# KiCad board pcb.kicad_pcb (continued)
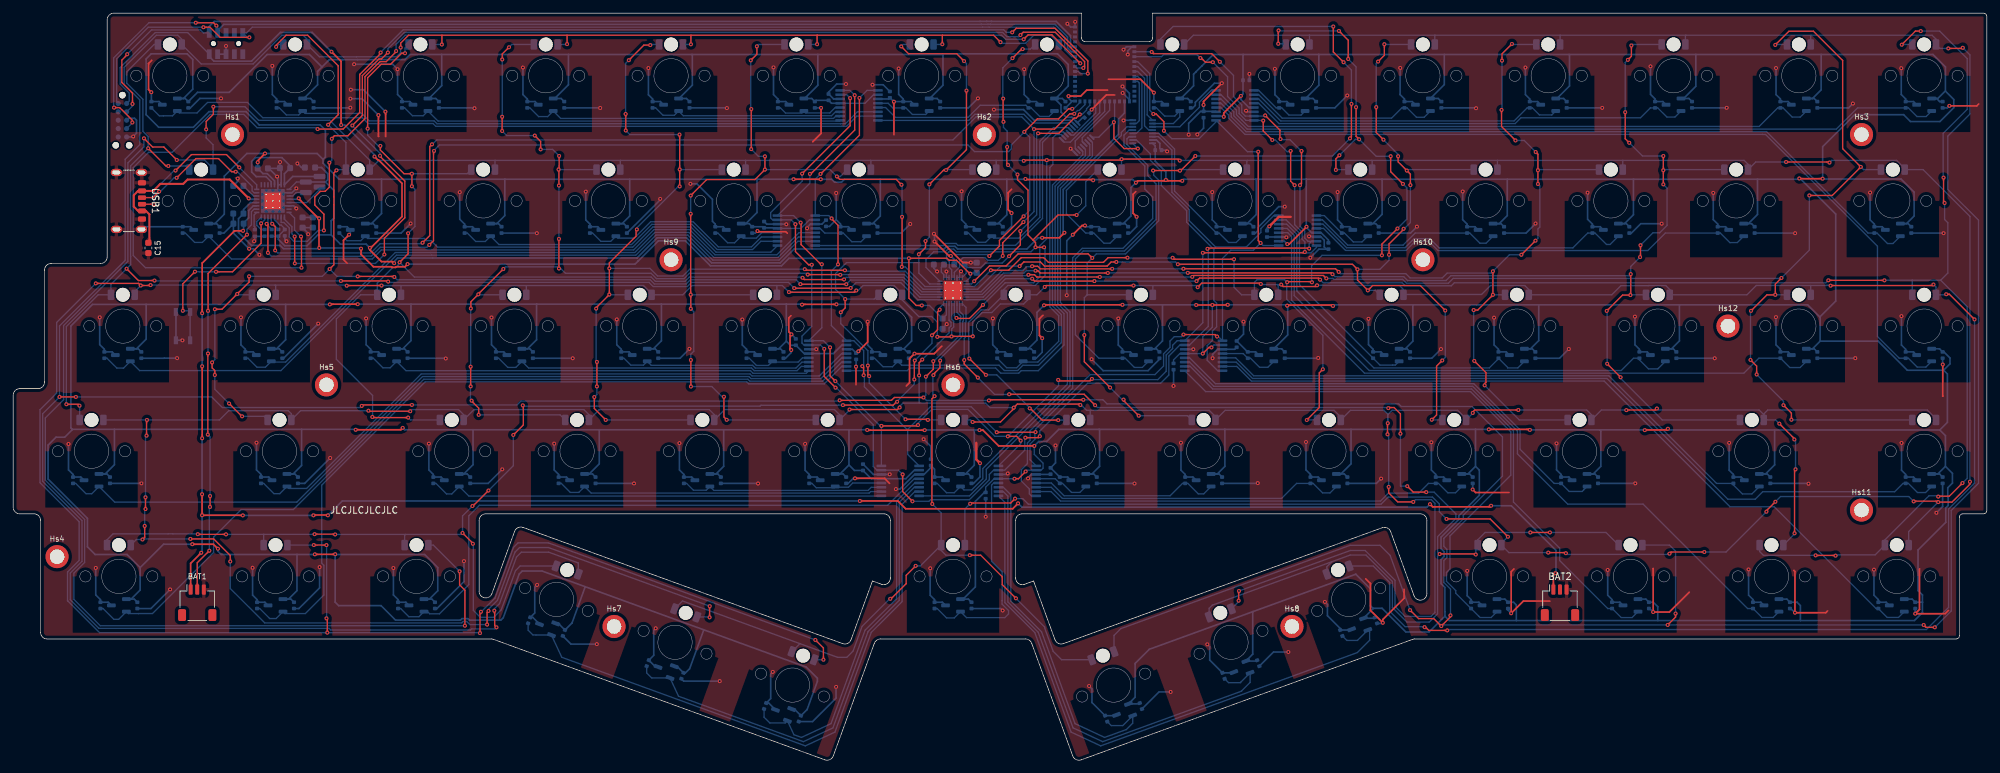
[diagram p0: board, top side]
## Routing (per net, layer and track width the routed paths; a pad name or vN(x,y) marks a point on that pad's centre or on a via; arc(x,y) is an arc through that point) (continued)
VCCS: length 2349.8
  Top w0.2: v1(181.69,62.61) 181.31,62.61 v1(180.37,61.67) ; v1(151.82,42.67) 152.43,42.67 153.51,43.76 v1(153.51,43.78)
  Top w0.25: v1(163.75,87.98) 163.64,88.09 153.57,88.09 v1(153.48,88.18) ; v1(200.12,68.9) 199.98,69.04 193.25,69.04 v1(193.16,68.95) ; v1(122.45,88.13) 122.44,88.14 v1(118.32,88.14) ; v1(146.51,50.06) 147.02,50.06 149.42,47.66 v1(154.83,47.66) ; v1(129.48,50.08) 129.51,50.05 v1(138.21,50.05) ; v1(177.26,87.9) 174.82,87.9 174.78,87.93 v1(174.78,88.03) 174.65,87.9 170.51,87.9 v1(170.23,87.62) ; v1(156.3,69) 156.38,69.07 v1(168.2,69.07) ; v1(223.74,50.17) 229.89,50.17 v1(229.97,50.09) ; v1(124.83,69.15) 119.66,69.15 v1(119.61,69.1) ; v1(48.01,69.14) 48.04,69.17 v1(52.24,69.17) ; v1(196.1,80.92) 196.1,80.91 193.48,78.3 v1(193.18,78.3) ; v1(179.36,69.05) v1(181.82,69.05) 184.13,69.05 v1(184.16,69.08) ; v1(247.38,50.05) 247.42,50.09 250.73,50.09 v1(250.9,50.26) ; v1(45.74,31.2) 48.8,31.2 v1(48.82,31.22) ; v1(59.06,50.4) 58.77,50.11 v1(51.93,50.11) ; v1(186.15,100.79) 183.55,98.19 v1(183.55,97.61) ; v1(31.04,32.04) 30.36,32.73 27.16,32.73 v1(27.16,32.73) ; v1(37.08,90.7) 37.08,90.94 v1(38.18,92.05) ; v1(274.36,88.22) 270.86,88.22 v1(270.82,88.26)
  Bottom w0.2: v1(153.51,43.78) 153.71,43.97 MUXB8.2 155.85,43.97 156.15,44.27 156.15,45.03 154.82,46.37 154.82,47.65 v1(154.83,47.66) ; MUXB2.2 120.74,81.97 119.44,80.67 MUXB2.13 ; MUXB7.2 182.06,62.97 v1(181.69,62.61) ; v1(181.82,69.05) 181.82,65.68 180.37,64.23 v1(180.37,61.67) MUXB7.13 176.9,61.67 175.94,60.71 C19.2 ; MUXB1.2 130.46,100.97 129.16,99.67 MUXB1.13 ; v1(151.82,42.67) MUXB8.13 148.73,42.67 147.45,41.39 C20.2
  Bottom w0.25: v1(122.45,88.13) 124.12,88.13 124.56,87.69 125.58,87.69 126.02,88.13 131.47,88.13 ; 145.67,50.07 146.49,50.07 v1(146.51,50.06) ; 145.67,50.07 145.73,50.02 145.73,44.73 144.4,43.4 TMR51.1 144.83,43.4 Cvcc51.1 ; 145.67,50.07 138.24,50.07 v1(138.21,50.05) ; Cvcc25.1 206.58,81.4 TMR25.1 206.14,81.4 207.56,82.82 207.56,88.14 ; Cvcc65.1 144.83,24.4 TMR65.1 144.03,24.4 145.89,26.26 145.89,39.24 147.25,40.6 C20.2 ; TMR8.1 158.88,99.41 158.88,98.33 159.66,97.55 160.52,97.55 MUXA1.16 161.43,96.76 162.15,97.49 C1.2 ; TMR8.1 158.07,100.4 159.98,102.3 159.98,105.55 158.36,107.17 141.1,107.17 140.98,107.05 ; TMR8.1 159.08,100.4 Cvcc8.1 ; Cvcc55.1 220.83,43.4 TMR55.1 220.57,43.4 221.73,44.55 ; 126.73,44.76 127.56,43.93 C5.2 130.11,42.67 MUXB4.13 135.34,42.67 136.64,43.97 MUXB4.2 ; 126.73,44.76 126.73,50.1 126.72,50.11 ; 126.73,44.76 125.37,43.4 TMR50.1 125.83,43.4 Cvcc50.1 ; 8.96,50.17 15.35,50.17 ; 8.96,50.17 8.96,50.12 7.81,48.98 6.49,48.98 5.29,47.78 5.29,42.62 11.25,36.66 11.25,32.34 12.42,31.17 17.26,31.17 19.25,29.18 ; 8.96,50.17 8.75,50.38 8.75,65.86 12.02,69.14 20.16,69.14 ; 15.35,50.17 15.35,44.8 13.95,43.4 TMR45.1 14.21,43.4 Cvcc45.1 ; 15.35,50.17 43.73,50.17 ; 74.54,88.14 93.48,88.14 ; 74.54,88.14 55.84,88.14 ; 74.54,88.14 74.54,82.62 73.32,81.4 TMR18.1 73.58,81.4 Cvcc18.1 ; 93.48,88.14 93.48,82.56 92.32,81.4 TMR19.1 92.58,81.4 Cvcc19.1 ; 93.48,88.14 112.78,88.14 ; 117.21,69.17 117.23,69.15 117.23,63.55 ; 117.21,69.17 98.29,69.17 ; 117.21,69.17 119.54,69.17 v1(119.61,69.1) ; 41.31,69.14 41.31,63.78 39.93,62.4 TMR31.1 40.33,62.4 Cvcc31.1 ; 41.31,69.14 v1(48.01,69.14) ; 41.31,69.14 20.16,69.14 ; 126.72,50.11 129.45,50.11 v1(129.48,50.08) ; 126.72,50.11 107.73,50.11 ; 291.63,100.4 292.1,99.93 Cvcc15.1 ; 291.63,100.4 291.82,100.4 292.98,101.55 292.98,105.18 291.09,107.07 274.13,107.07 ; 291.63,100.4 TMR15.1 ; Cvcc14.1 273.08,100.4 TMR14.1 272.82,100.4 274.13,101.71 274.13,107.07 ; v1(156.3,69) 155.23,67.92 155.23,63.72 153.91,62.4 TMR37.1 154.33,62.4 Cvcc37.1 ; Cvcc32.1 59.33,62.4 TMR32.1 59.07,62.4 60.31,63.64 60.31,69.17 ; 221.73,44.55 222.3,43.98 222.3,40.16 219.19,37.04 219.19,36.49 216.5,33.8 216.5,32.06 216.96,31.61 216.96,30.87 216.5,30.41 216.5,26.75 217.08,26.17 217.08,22.51 217.09,22.5 217.09,21.82 217.08,21.81 ; 221.73,44.55 221.73,50.16 221.72,50.17 ; MUXB5.13 187.38,99.02 186.15,100.25 v1(186.15,100.79) 186.47,101.11 C17.2 186.47,107.04 186.5,107.07 ; 274.13,107.07 255.13,107.07 ; TMR68.1 206.34,21.49 Cvcc68.1 ; TMR68.1 206.18,22.92 206.18,23 ; TMR68.1 204.75,21.57 ; 86.73,26.27 84.72,20.76 84.72,20.76 Cvcc62.1 82.66,20.71 TMR62.1 ; 216.99,107.07 216.99,102.5 TMR11.1 216.08,100.4 Cvcc11.1 ; 216.99,107.07 235.91,107.07 ; 216.99,107.07 197.96,107.07 ; 140.98,107.05 140.98,102.4 138.97,100.4 TMR7.1 140.08,100.4 Cvcc7.1 ; 140.98,107.05 140.95,107.07 122.01,107.07 ; 267.08,50.07 267.08,44.78 265.69,43.4 TMR57.1 265.95,43.4 Cvcc57.1 ; 267.08,50.07 251.08,50.07 v1(250.9,50.26) ; 267.08,50.07 292.11,50.07 ; 55.84,88.14 55.85,88.13 55.85,82.92 54.32,81.4 TMR17.1 54.58,81.4 Cvcc17.1 ; 55.84,88.14 49.43,88.14 46.98,90.58 46.98,91.15 ; Cvcc60.1 42.1,24.4 TMR60.1 41.74,24.4 43.03,25.69 43.03,31.17 ; 227.91,21.15 217.74,21.15 217.08,21.81 ; 227.91,21.15 249.36,21.15 ; 227.91,21.15 227.91,23.52 227.5,23.93 Cvcc69.1 226.18,24.4 TMR69.1 ; Cvcc47.1 68.83,43.4 TMR47.1 68.32,43.4 69.73,44.81 69.73,50.09 69.71,50.11 ; 196.07,88.14 188.41,88.14 ; 196.07,88.14 207.56,88.14 ; 196.07,88.14 196.06,88.13 196.06,80.96 v1(196.1,80.92) 196.1,80.8 196.88,80.02 MUXB6.13 198.31,80.02 199.42,78.91 C18.2 ; 188.41,88.14 177.5,88.14 v1(177.26,87.9) ; 188.41,88.14 188.48,88.07 188.48,82.78 187.1,81.4 TMR24.1 187.58,81.4 Cvcc24.1 ; 64.97,107.07 84.19,107.07 ; 64.97,107.07 64.98,107.07 64.98,102.34 63.03,100.4 TMR3.1 64.08,100.4 Cvcc3.1 ; 64.97,107.07 60.17,107.07 59.39,106.3 52.22,106.3 52.22,106.29 49.94,106.29 49.94,106.3 47.94,106.3 46.82,105.18 ; 84.19,107.07 102.92,107.07 ; 84.19,107.07 84.19,102.48 82.11,100.4 TMR4.1 83.08,100.4 Cvcc4.1 ; 174.26,69.07 174.26,63.59 173.07,62.4 TMR38.1 173.33,62.4 Cvcc38.1 ; 174.26,69.07 179.33,69.07 v1(179.36,69.05) ; 174.26,69.07 v1(168.2,69.07) ; 19.25,29.18 22.8,32.73 v1(27.16,32.73) ; 19.25,29.18 19.25,25.78 17.87,24.4 TMR59.1 18.36,24.4 Cvcc59.1 ; Cvcc46.1 42.7,43.4 TMR46.1 42.45,43.4 43.73,44.68 43.73,50.17 ; 117.23,63.55 117.84,62.94 C4.2 119.94,61.67 MUXB3.13 124.37,61.67 125.67,62.97 MUXB3.2 ; 117.23,63.55 116.07,62.4 TMR35.1 116.33,62.4 Cvcc35.1 ; 187.99,22.51 172.26,16.78 170.11,14.63 170.11,9.5 TMR66.1 ; 187.99,22.51 203.54,28.16 203.58,28.16 205.79,25.95 205.79,23.39 206.18,23 ; 187.99,22.51 187.94,22.46 187.94,16.04 TMR67.1 ; 249.36,21.15 249.36,23.25 248.68,23.93 Cvcc70.1 247.56,24.4 TMR70.1 ; 249.36,21.15 271,21.15 ; Cvcc9.1 178.08,100.4 TMR9.1 177.05,100.4 178.98,102.32 178.98,104.08 179.35,104.45 179.35,104.46 180.21,105.32 180.22,105.32 181.97,107.07 186.5,107.07 ; 186.5,107.07 197.96,107.07 ; 112.78,88.14 112.78,83.09 111.09,81.4 TMR20.1 111.58,81.4 Cvcc20.1 113.69,80.93 C3.2 ; 112.78,88.14 v1(118.32,88.14) ; TMR44.1 292.08,62.4 Cvcc44.1 292.74,61.93 293.67,61 293.67,60.12 292.7,59.15 ; 207.56,88.14 226.54,88.14 ; 102.92,107.07 102.98,107.02 102.98,102.42 100.95,100.4 TMR5.1 102.08,100.4 Cvcc5.1 ; 102.92,107.07 122.01,107.07 ; Cvcc26.1 225.58,81.4 TMR26.1 225.32,81.4 226.54,82.62 226.54,88.14 ; 69.71,50.11 59.35,50.11 v1(59.06,50.4) ; 69.71,50.11 88.86,50.11 ; 273.93,67.23 276.34,69.64 276.34,82.85 270.93,88.26 v1(270.82,88.26) 270.7,88.14 264.48,88.14 ; 273.93,67.23 273.98,67.18 273.98,63.55 272.82,62.4 TMR43.1 273.08,62.4 Cvcc43.1 ; 273.93,67.23 272.09,69.07 252.64,69.07 ; 292.7,59.15 287.19,59.15 282.78,63.56 273.98,63.56 ; 292.7,59.15 293.27,58.58 293.27,51.23 292.11,50.07 ; Cvcc2.1 45.08,100.4 TMR2.1 44.07,100.4 46.15,102.48 46.15,104.51 46.82,105.18 ; v1(247.38,50.05) 247.35,50.09 240.58,50.09 ; 255.13,107.07 255.13,102.25 253.28,100.4 TMR13.1 254.08,100.4 Cvcc13.1 ; 255.13,107.07 235.91,107.07 ; Cvcc33.1 78.33,62.4 TMR33.1 77.99,62.4 79.36,63.77 79.36,69.17 ; TMR67.1 188.49,14.99 Cvcc67.1 ; TMR67.1 186.9,15.07 ; TMR66.1 169.1,8.57 ; TMR66.1 170.69,8.49 Cvcc66.1 ; v1(163.75,87.98) 163.85,88.08 169.77,88.08 v1(170.23,87.62) 169.48,86.86 169.48,82.55 168.32,81.4 TMR23.1 168.58,81.4 Cvcc23.1 ; v1(154.83,47.66) 155.5,48.32 156.7,48.32 158.54,50.17 164.66,50.17 ; 183.72,50.17 202.85,50.17 ; 183.72,50.17 183.73,50.16 183.73,44.55 182.57,43.4 TMR53.1 182.83,43.4 Cvcc53.1 ; 183.72,50.17 164.66,50.17 ; 202.85,50.17 221.72,50.17 ; 202.85,50.17 202.85,44.94 201.31,43.4 TMR54.1 201.83,43.4 Cvcc54.1 ; Cvcc58.1 292.08,43.4 TMR58.1 291.82,43.4 292.98,44.55 ; 60.31,69.17 79.36,69.17 ; 60.31,69.17 v1(52.24,69.17) ; 79.36,69.17 98.29,69.17 ; Cvcc27.1 244.58,81.4 TMR27.1 244.32,81.4 245.67,82.75 245.67,88.14 ; 212.19,69.07 231.31,69.07 ; 212.19,69.07 200.29,69.07 v1(200.12,68.9) ; 212.19,69.07 212.23,69.04 212.23,63.55 211.07,62.4 TMR40.1 211.33,62.4 Cvcc40.1 ; 231.31,69.07 231.31,63.64 230.07,62.4 TMR41.1 230.33,62.4 Cvcc41.1 ; 231.31,69.07 252.64,69.07 ; 206.18,23 207.56,23 211.16,19.41 214.68,19.41 217.08,21.81 ; 131.47,88.13 131.48,88.12 131.48,82.55 130.32,81.4 TMR21.1 130.58,81.4 Cvcc21.1 ; 131.47,88.13 150.66,88.13 ; 292.11,50.07 292.98,49.21 292.98,44.55 ; TMR64.1 118.43,7.71 Cvcc64.1 120.37,7.64 120.38,7.64 121.93,11.91 121.93,12.39 120.24,14.08 83.31,27.52 ; 197.96,107.07 197.98,107.06 197.98,102.41 195.96,100.4 TMR10.1 197.08,100.4 Cvcc10.1 ; 46.98,91.15 47.34,91.5 47.34,95.59 46.55,96.38 37.31,96.38 35.29,98.4 29.69,98.4 27.32,96.03 22.06,96.03 20.15,97.93 20.15,106.39 20.93,107.17 26.37,107.17 27.23,106.31 27.23,101.81 25.82,100.4 TMR1.1 26.08,100.4 Cvcc1.1 27.95,101.33 32.76,101.33 38.51,107.07 44.92,107.07 46.82,105.18 ; 46.98,91.15 46.08,92.05 v1(38.18,92.05) 35.44,92.05 32.01,88.62 32.01,82.84 30.57,81.4 TMR16.1 30.83,81.4 Cvcc16.1 ; Cvcc52.1 163.83,43.4 TMR52.1 163.57,43.4 164.73,44.55 164.73,50.1 164.66,50.17 ; Cvcc61.1 63.48,24.4 TMR61.1 63.1,24.4 64.38,25.68 64.38,29.18 62.39,31.17 48.87,31.17 v1(48.82,31.22) 48.82,23.93 49.34,23.41 55.77,23.41 57.97,21.21 67.82,21.21 68.04,21.43 68.94,21.43 69.16,21.21 73.94,21.21 74.31,21.58 76.72,28.2 77.18,28.66 80.19,28.66 83.34,27.51 ; 88.86,50.11 88.86,44.93 87.33,43.4 TMR48.1 87.83,43.4 Cvcc48.1 ; 88.86,50.11 107.73,50.11 ; 271,21.15 270.98,21.17 270.98,23.43 270.48,23.93 Cvcc71.1 268.93,24.4 TMR71.1 ; 271,21.15 288.28,21.15 289.49,22.36 289.49,23.92 ; Cvcc22.1 149.58,81.4 TMR22.1 149.32,81.4 150.66,82.74 150.66,88.13 ; 245.67,88.14 226.54,88.14 ; 245.67,88.14 264.48,88.14 ; Cvcc39.1 192.33,62.4 TMR39.1 193.25,64.51 193.25,68.86 v1(193.16,68.95) 193.16,69.04 193.12,69.08 v1(184.16,69.08) ; 43.03,31.17 45.71,31.17 v1(45.74,31.2) ; 43.03,31.17 31.55,31.17 31.04,31.68 v1(31.04,32.04) ; MUXB6.2 192.75,78.72 v1(193.18,78.3) ; 252.64,69.07 252.64,63.59 251.44,62.4 TMR42.1 251.71,62.4 Cvcc42.1 ; 292.98,44.55 294.04,43.49 294.04,42.02 293.33,41.31 293.33,39.9 293.39,39.84 293.39,38.61 293.02,38.24 293.02,36.05 288.83,31.85 288.83,25.69 289.49,25.03 289.49,23.92 ; 221.72,50.17 v1(223.74,50.17) ; v1(183.55,97.61) 183.45,97.72 MUXB5.2 ; 43.73,50.17 51.87,50.17 v1(51.93,50.11) ; 135.55,61.93 135.08,62.4 TMR36.1 135.05,62.4 136.23,63.58 136.23,67.18 134.26,69.15 v1(124.83,69.15) ; TMR72.1 287.93,24.4 Cvcc72.1 289.48,23.93 289.49,23.92 ; 104.71,19.73 102.57,13.84 101.93,13.2 Cvcc63.1 100.63,14.21 TMR63.1 ; C3.2 115.8,80.76 MUXB2.13 ; C3.2 113.83,80.76 ; Cvcc56.1 239.83,43.4 TMR56.1 239.57,43.4 240.73,44.55 240.73,49.94 240.58,50.09 ; 264.48,88.14 264.48,82.79 263.09,81.4 TMR28.1 263.58,81.4 Cvcc28.1 ; Cvcc30.1 18.95,62.4 TMR30.1 18.7,62.4 20.16,63.86 20.16,69.14 ; 98.29,69.17 98.29,63.62 97.07,62.4 TMR34.1 97.33,62.4 Cvcc34.1 ; v1(153.48,88.18) 153.43,88.13 150.66,88.13 ; 122.01,107.07 122.01,102.41 120,100.4 TMR6.1 121.08,100.4 Cvcc6.1 121.74,100.12 C2.2 124.08,99.67 MUXB1.13 ; Cvcc12.1 235.08,100.4 TMR12.1 234.07,100.4 235.98,102.3 235.98,107.01 235.91,107.07 ; Cvcc49.1 106.83,43.4 TMR49.1 106.57,43.4 107.73,44.56 107.73,50.11 ; 240.58,50.09 v1(229.97,50.09) ; v1(174.78,88.03) 174.78,89.25 173.16,90.87 C16.2 173.16,93.19 MUXA2.16 ; v1(37.08,90.7) 37.07,90.69 C23.1 37.87,88.98 38.52,88.98 39.62,87.88 PMIC1.29 ; Cvcc29.1 287.33,81.4 TMR29.1 287.07,81.4 288.23,82.55 288.23,86.18 286.24,88.17 274.41,88.17 v1(274.36,88.22) 274.36,93.08 279.22,97.94 286.64,97.94 287.68,96.9 292.14,96.9 294.25,99 294.25,100.24 293.07,101.42
/AIN0: length 8.4
  Bottom w0.2: M1.23 166.25,98.6 162.09,94.44 162.09,93.86 MUXA1.4
/AIN1: length 9.6
  Bottom w0.2: MUXA1.7 161.03,92.8 161.03,93.95 165.5,98.42 M1.22
/AIN2: length 9.5
  Bottom w0.2: M1.21 164.75,98.23 160.29,93.77 159.35,93.77 MUXA1.9
/AIN3: length 7.5
  Bottom w0.2: MUXA1.12 160.41,94.83 160.79,94.83 164.14,98.19 164.14,98.93 164,99.07 M1.20
/AIN4: length 9.6
  Bottom w0.2: M1.35 170.5,105.25 171.94,103.8 171.94,97.91 MUXA2.9
/AIN5: length 10.7
  Bottom w0.2: MUXA2.12 172.19,95.6 171.54,96.25 171.54,103.45 170.5,104.5 M1.34
/AIN6: length 10.3
  Bottom w0.2: MUXA2.4 170.31,95.1 171.14,95.93 171.14,103.1 170.5,103.75 M1.33
/AIN7: length 7.7
  Bottom w0.2: M1.32 170.5,103 170.74,102.75 170.74,97.03 170.31,96.6 MUXA2.7
/ANA_01: length 113.9
  Bottom w0.2: Cvout1.1 22.16,97.76 22.76,97.76 22.76,97.77 24.16,97.77 TMR1.2 25.19,98.2 27.87,98.2 29.47,99.8 35.52,99.8 37.84,97.48 52.94,97.48 53.82,96.6 63.65,96.6 64.09,96.16 125.61,96.16 125.62,96.17 126.36,96.17 127.91,97.72 MUXB1.7
/ANA_02: length 93.4
  Bottom w0.2: Cvout2.1 40.35,98.97 41.42,97.9 43.29,97.9 TMR2.2 44.25,98.13 52.85,98.13 53.99,97 63.82,97 64.25,96.56 125.45,96.56 125.45,96.57 126.19,96.57 127.99,98.37 MUXB1.6
/ANA_03: length 67.9
  Bottom w0.2: MUXB1.9 125.28,96.97 64.42,96.97 TMR3.2 62.17,97.78 60.54,97.78 59.35,98.97 Cvout3.1
/ANA_04: length 49.2
  Bottom w0.2: Cvout4.1 78.35,98.97 79.67,97.65 81.04,97.65 TMR4.2 83.02,97.37 124.38,97.37 124.73,97.72 MUXB1.10 125.24,97.57
/ANA_05: length 29.9
  Bottom w0.2: 125.24,98.22 MUXB1.11 124.67,98.37 124.08,97.78 101.61,97.78 TMR5.2 100.89,98.48 100.25,97.85 98.53,97.85 97.41,98.97 Cvout5.1
/ANA_06: length 10.4
  Bottom w0.2: Cvout6.1 116.33,98.97 117.11,98.19 119.58,98.19 TMR6.2 120.19,98.2 123.82,98.2 124.64,99.02 MUXB1.12
/ANA_07: length 8.7
  Bottom w0.2: TMR7.2 138.36,97.97 136.35,97.97 135.35,98.97 Cvout7.1 133.37,98.97 132.67,99.67 MUXB1.4
/ANA_08: length 29.2
  Bottom w0.2: TMR8.2 157.06,97.67 155.64,97.67 154.34,98.97 Cvout8.1 153.55,99.37 146.62,99.37 144.78,97.53 133.77,97.53 132.28,99.02 MUXB1.5
/ANA_09: length 10.2
  Bottom w0.2: MUXA2.10 175.91,96.6 176.89,97.57 TMR9.2 176.12,97.73 174.59,97.73 173.35,98.97 Cvout9.1
/ANA_10: length 9.6
  Bottom w0.2: TMR10.2 195.27,97.88 193.44,97.88 192.35,98.97 Cvout10.1 191.5,98.97 188.85,101.62 MUXB5.9
/ANA_11: length 29.9
  Bottom w0.2: MUXB5.10 188.85,100.97 192.4,97.42 209,97.42 210.55,98.97 Cvout11.1 211.35,98.97 212.77,97.55 213.94,97.55 TMR11.2
/ANA_12: length 48.7
  Bottom w0.2: TMR12.2 233.29,97.9 231.42,97.9 230.35,98.97 Cvout12.1 229.55,98.97 227.57,96.99 192.18,96.99 188.85,100.32 MUXB5.11
/ANA_13: length 68
  Bottom w0.2: MUXB5.12 188.85,99.67 191.93,96.59 227.74,96.59 228.62,97.47 246.74,97.47 248.24,98.97 Cvout13.1 249.35,98.97 250.74,97.58 251.97,97.58 TMR13.2
/ANA_14: length 94
  Bottom w0.2: TMR14.2 270.97,97.58 269.74,97.58 268.35,98.97 Cvout14.1 267.55,98.97 264.73,96.15 187.27,96.15 185.48,97.93 185.48,98.62 183.12,100.97 MUXB5.7
/ANA_15: length 113
  Bottom w0.2: TMR15.2 290.05,97.66 288.66,97.66 287.35,98.97 Cvout15.1 279.65,98.97 276.43,95.75 187.1,95.75 185.08,97.77 185.08,98.37 183.12,100.32 MUXB5.6
/ANA_16: length 103.2
  Bottom w0.2: MUXB2.5 119.14,80.02 115.79,76.67 106.41,76.67 102.59,80.49 97.16,80.49 94.08,77.41 55.82,77.41 54.44,76.03 33.11,76.03 TMR16.2 28.69,78.55 27.52,78.55 26.1,79.97 Cvout16.1
/ANA_17: length 71.2
  Bottom w0.2: MUXB2.9 114.88,77.07 106.58,77.07 102.76,80.89 96.99,80.89 93.93,77.83 64.35,77.83 63.36,78.82 62.67,78.82 62.34,79.15 53.74,79.15 TMR17.2 52.7,78.81 50.61,78.81 Cvout17.1
/ANA_18: length 52.2
  Bottom w0.2: MUXB2.10 113.36,78.72 112.11,77.47 106.74,77.47 102.92,81.29 96.83,81.29 93.77,78.23 73.66,78.23 TMR18.2 71.58,78.69 70.13,78.69 68.85,79.97 Cvout18.1
/ANA_19: length 32.6
  Bottom w0.2: Cvout19.1 87.85,79.97 89.11,78.71 90.6,78.71 TMR19.2 91.69,79.2 94.17,79.2 96.66,81.69 103.09,81.69 106.91,77.87 111.94,77.87 113.45,79.37 MUXB2.11
/ANA_20: length 10.9
  Bottom w0.2: MUXB2.12 113.5,80.02 112.68,79.2 110.69,79.2 TMR20.2 109.38,78.49 108.33,78.49 106.85,79.97 Cvout20.1
/ANA_21: length 9
  Bottom w0.2: MUXB2.4 122.35,80.67 123.05,79.97 Cvout21.1 125.85,79.97 127.17,78.65 128.54,78.65 TMR21.2
/ANA_22: length 30.9
  Bottom w0.2: Cvout22.1 144.85,79.97 146.25,78.57 147.44,78.57 148.37,79.5 TMR22.2 148.69,79.2 152.51,79.2 155.67,82.36 155.67,93.91 157.74,95.98 159.97,95.98 MUXA1.13
/ANA_23: length 27.9
  Bottom w0.2: MUXA2.6 168.87,96.1 168.02,95.25 168.02,94.78 159.69,86.45 159.69,82.9 162.62,79.97 Cvout23.1 163.85,79.97 165.39,78.43 166.32,78.43 TMR23.2
/ANA_24: length 24.6
  Bottom w0.2: TMR24.2 185.43,78.54 184.28,78.54 182.85,79.97 Cvout24.1 182.45,79.97 176.09,86.32 176.09,92.72 173.71,95.1 MUXA2.13
/ANA_25: length 9.8
  Bottom w0.2: TMR25.2 204.51,78.62 203.2,78.62 201.85,79.97 Cvout25.1 198.79,82.62 MUXB6.9
/ANA_26: length 30.2
  Bottom w0.2: MUXB6.10 198.51,81.97 202.34,78.14 210.74,78.14 212.57,79.97 Cvout26.1 220.85,79.97 222.39,78.43 223.32,78.43 TMR26.2
/ANA_27: length 50.6
  Bottom w0.2: MUXB6.11 198.59,81.32 202.18,77.74 211.03,77.74 212.4,79.11 214.82,79.11 216.21,77.72 236.49,77.72 238.74,79.97 Cvout27.1 239.85,79.97 241.58,78.24 242.13,78.24 TMR27.2
/ANA_28: length 69.4
  Bottom w0.2: TMR28.2 261.41,78.52 260.3,78.52 258.85,79.97 Cvout28.1 250.5,79.97 247.85,77.32 216.04,77.32 214.65,78.71 212.57,78.71 211.2,77.34 202.01,77.34 198.68,80.67 MUXB6.12
/ANA_29: length 113.3
  Bottom w0.2: TMR29.2 285.02,78.38 284.19,78.38 282.6,79.97 Cvout29.1 281.24,79.97 265.86,95.35 186.94,95.35 184.68,97.6 184.68,98.12 183.12,99.67 MUXB5.5
/ANA_30: length 120.7
  Bottom w0.2: MUXB2.7 118.98,78.72 116.12,75.87 106.08,75.87 102.29,79.66 97.46,79.66 94.41,76.61 63.46,76.61 58.11,76.61 40.59,59.09 19.17,59.09 TMR30.2 16.73,59.47 15.72,59.47 14.22,60.97 Cvout30.1
/ANA_31: length 98.4
  Bottom w0.2: MUXB2.6 119.06,79.37 115.96,76.27 106.25,76.27 102.45,80.06 97.3,80.06 94.24,77.01 63.29,77.01 57.93,77.01 41.31,60.38 39.25,60.38 TMR31.2 38.25,59.61 36.96,59.61 35.6,60.97 Cvout31.1
/ANA_32: length 68.4
  Bottom w0.2: MUXB3.9 120.24,58.68 112.19,58.68 111.8,59.07 59.56,59.07 TMR32.2 57.16,59.52 56.05,59.52 54.6,60.97 Cvout32.1
/ANA_33: length 49.2
  Bottom w0.2: MUXB3.10 119.5,59.72 118.86,59.08 112.36,59.08 111.95,59.48 78.15,59.48 TMR33.2 76.22,59.58 74.99,59.58 73.6,60.97 Cvout33.1
/ANA_34: length 29.9
  Bottom w0.2: MUXB3.11 119.59,60.37 118.69,59.48 112.52,59.48 112.11,59.89 96.75,59.89 TMR34.2 95.56,59.92 93.65,59.92 92.6,60.97 Cvout34.1
/ANA_35: length 10.5
  Bottom w0.2: MUXB3.12 119.67,61.02 119.04,60.38 115.25,60.38 TMR35.2 114.52,59.88 112.69,59.88 111.6,60.97 Cvout35.1
/ANA_36: length 64
  Bottom w0.2: MUXA1.6 162.18,92.36 162.18,91.85 157.58,87.26 157.58,68.93 158.93,67.59 158.93,63.34 155.48,59.89 153.09,59.89 152.3,59.1 150.28,59.1 149.47,59.91 134.72,59.91 TMR36.2 133.32,59.68 131.89,59.68 130.6,60.97 Cvout36.1
/ANA_37: length 45.4
  Bottom w0.2: MUXA1.10 158.91,94.92 158.12,94.92 157.64,94.44 157.64,90.38 157.18,89.92 157.18,68.77 158.53,67.42 158.53,63.53 155.38,60.38 153.25,60.38 TMR37.2 153.13,60.5 152.15,59.52 150.65,59.52 Cvout37.1
/ANA_38: length 54.8
  Bottom w0.2: MUXA2.3 169.19,94.6 168.87,94.27 168.87,93.42 172.03,90.26 172.03,88.69 173.28,87.44 173.28,82.03 168.5,77.25 162.26,77.25 161.06,76.05 161.06,64.52 164.61,60.97 Cvout38.1 168.6,60.97 169.99,59.58 171.22,59.58 TMR38.2
/ANA_39: length 9
  Bottom w0.2: TMR39.2 190.24,59.6 188.97,59.6 187.6,60.97 Cvout39.1 186.5,61.67 MUXB7.4
/ANA_40: length 32.2
  Bottom w0.2: TMR40.2 209.57,59.93 209.17,59.93 209.16,59.92 207.25,59.92 Cvout40.1 195.03,72.14 195.03,79.94 193,81.97 MUXB6.7
/ANA_41: length 53.1
  Bottom w0.2: MUXB6.6 193.09,81.32 194.63,79.78 194.63,71.18 206.32,59.5 223.81,59.5 225.2,60.89 Cvout41.1 226.59,59.58 226.59,59.5 228.14,59.5 TMR41.2
/ANA_42: length 75
  Bottom w0.2: TMR42.2 249.42,59.41 249.41,59.41 249.35,59.35 247.95,59.35 246.57,60.72 Cvout42.1 245.68,60.97 243.81,59.1 205.62,59.1 194.23,70.49 194.23,79.61 193.17,80.67 MUXB6.5
/ANA_43: length 96.4
  Bottom w0.2: TMR43.2 270.95,59.56 269.38,59.56 267.97,60.97 Cvout43.1 264.68,60.97 262.41,58.7 204.89,58.7 193.83,69.76 193.83,79.44 193.25,80.02 MUXB6.4
/ANA_44: length 133.5
  Bottom w0.2: TMR44.2 290.02,59.63 288.69,59.63 287.35,60.97 Cvout44.1 285.97,60.97 282.67,64.27 282.67,77.97 265.7,94.94 265.21,94.94 265.2,94.95 186.77,94.95 184.28,97.44 184.28,97.87 183.12,99.02 MUXB5.4
/ANA_45: length 128.7
  Bottom w0.2: Cvout45.1 9.47,41.97 11.04,40.4 11.91,40.4 TMR45.2 15.39,39.12 43,39.12 62.06,58.18 111.56,58.18 111.86,57.88 122.48,57.88 125.63,61.02 MUXB3.5
/ANA_46: length 98.7
  Bottom w0.2: MUXB3.4 125.63,61.67 122.23,58.28 112.03,58.28 111.73,58.58 61.87,58.58 44.49,41.2 41.81,41.2 TMR46.2 40.42,40.41 39.53,40.41 37.98,41.97 Cvout46.1
/ANA_47: length 69.7
  Bottom w0.2: MUXB4.9 130.9,40.07 130.88,40.05 69.09,40.05 TMR47.2 66.51,40.37 65.7,40.37 64.1,41.97 Cvout47.1
/ANA_48: length 50.4
  Bottom w0.2: MUXB4.10 130.01,40.72 129.78,40.49 87.64,40.49 TMR48.2 86.64,41.47 85.76,40.6 84.47,40.6 83.1,41.97 Cvout48.1
/ANA_49: length 31.1
  Bottom w0.2: MUXB4.11 130.09,41.37 129.62,40.89 106.24,40.89 TMR49.2 105.64,41.47 105.09,40.93 103.14,40.93 102.1,41.97 Cvout49.1
/ANA_50: length 11.6
  Bottom w0.2: MUXB4.12 127.29,42.02 126.66,41.38 124.75,41.38 TMR50.2 124.64,41.47 124.47,41.31 121.76,41.31 121.1,41.97 Cvout50.1
/ANA_51: length 68.5
  Bottom w0.2: Cvout51.1 140.1,41.97 141.52,40.55 142.69,40.55 TMR51.2 144.16,40.98 145.34,40.98 147.01,42.65 147.01,44.21 159.84,57.04 159.84,67.8 158.38,69.26 158.38,86.92 163.24,91.78 163.24,93.42 MUXA1.3
/ANA_52: length 8.8
  Bottom w0.2: TMR52.2 161.74,40.6 160.47,40.6 159.1,41.97 Cvout52.1 158,42.67 MUXB8.4
/ANA_53: length 29.2
  Bottom w0.2: MUXB8.5 157.41,42.02 159.34,40.09 175.42,40.09 177.3,41.97 Cvout53.1 178.1,41.97 179.69,40.38 180.52,40.38 TMR53.2
/ANA_54: length 48.2
  Bottom w0.2: MUXB8.6 157.4,41.37 159.08,39.69 192.32,39.69 194.6,41.97 Cvout54.1 197.1,41.97 198.54,40.53 199.67,40.53 TMR54.2
/ANA_55: length 67.2
  Bottom w0.2: TMR55.2 218.68,40.54 217.53,40.54 216.1,41.97 Cvout55.1 214.59,41.97 213.11,40.49 208.52,40.49 207.32,39.29 158.8,39.29 157.37,40.72 MUXB8.7
/ANA_56: length 71.5
  Bottom w0.2: MUXB7.12 178.37,61.02 182.3,57.1 221.47,57.1 228.48,50.08 228.48,47.14 233.65,41.97 Cvout56.1 235.93,40.74 237.89,40.74 238.11,40.96 238.11,40.97 TMR56.2
/ANA_57: length 90.6
  Bottom w0.2: MUXB7.5 185.36,61.02 188.08,58.3 241.94,58.3 258.27,41.97 Cvout57.1 260.82,41.73 262.19,40.37 263.63,40.37 TMR57.2
/ANA_58: length 118.1
  Bottom w0.2: TMR58.2 289.97,40.58 288.74,40.58 287.35,41.97 Cvout58.1 286.55,41.97 285.28,40.7 265.27,40.7 264.14,39.57 259.98,39.57 241.65,57.9 187.92,57.9 185.44,60.37 MUXB7.6
/ANA_59: length 131.9
  Bottom w0.2: Cvout59.1 13.62,22.97 15.27,21.33 15.99,21.33 TMR59.2 17.46,22.2 18.99,22.2 19,22.21 21.12,22.21 30.39,31.48 30.39,33.82 34.57,38 42.48,38 62.26,57.78 111.39,57.78 111.69,57.48 122.73,57.48 125.63,60.37 MUXB3.6
/ANA_60: length 116.6
  Bottom w0.2: MUXB3.7 125.63,59.72 122.98,57.07 111.53,57.07 111.23,57.37 62.46,57.37 46.78,41.7 46.78,29.85 47.11,29.52 47.11,25.03 44.28,22.2 41.21,22.2 TMR60.2 39.86,21.45 38.9,21.45 37.38,22.97 Cvout60.1
/ANA_61: length 94.6
  Bottom w0.2: MUXB4.4 136.63,42.67 132.6,38.65 70.69,38.65 69.08,37.04 69.08,26.6 64.64,22.17 63.15,22.17 62.82,22.5 TMR61.2 61.52,21.73 59.99,21.73 58.75,22.97 Cvout61.1
/ANA_62: length 93.7
  Bottom w0.2: 81.61,18.95 79.27,18.95 78.79,18.97 78.07,19.68 Cvout62.1 ; MUXB4.7 136.71,40.72 134.78,38.8 134.78,24.02 130.11,19.35 124.6,4.21 120.11,2.12 83.19,15.56 TMR62.2
/ANA_63: length 74.1
  Bottom w0.2: Cvout63.1 96.05,13.2 96.82,12.43 TMR63.2 100.89,9.65 119.81,2.76 124.3,4.85 129.61,19.45 129.61,19.47 134.35,24.21 134.35,39.1 136.63,41.37 MUXB4.6
/ANA_64: length 55
  Bottom w0.2: MUXB4.5 136.69,42.02 133.95,39.28 133.95,24.46 129.16,19.67 124,5.49 119.51,3.4 118.38,3.81 TMR64.2 117.06,5.6 114.72,5.6 113.85,6.47 Cvout64.1
/ANA_65: length 34.6
  Bottom w0.2: MUXB8.12 148.66,42.02 148.35,41.71 148.35,30.13 149.95,28.53 149.95,24.19 149.94,24.18 149.94,23.64 150.92,22.66 150.92,22.15 150.36,21.59 144.55,21.59 TMR65.2 142.69,21.55 141.52,21.55 140.1,22.97 Cvout65.1
/ANA_66: length 55.6
  Bottom w0.2: Cvout66.1 166.49,5.2 168.24,5.2 TMR66.2 169.75,5.56 168.78,4.59 168.76,4.59 165.49,3.4 161,5.49 155.93,19.43 151.27,24.08 151.27,40.23 150.12,41.37 MUXB8.11
/ANA_67: length 75.2
  Bottom w0.2: Cvout67.1 184.27,11.72 186.11,11.72 186.11,11.77 TMR67.2 187.55,11.75 186.25,10.46 186.25,10.43 165.19,2.76 160.7,4.85 155.41,19.37 150.82,23.97 150.82,40.03 150.12,40.72 MUXB8.10
/ANA_68: length 94.6
  Bottom w0.2: MUXB8.9 150.36,39.1 150.36,23.86 154.9,19.32 160.4,4.21 164.89,2.12 203.8,16.28 205.67,18.15 205.67,19.44 TMR68.2 203.82,18.13 202.21,18.13 Cvout68.1
/ANA_69: length 90.6
  Bottom w0.2: TMR69.2 224.1,21.61 222.42,21.61 222.21,21.82 222.2,21.82 Cvout69.1 218.72,25.29 218.72,25.69 217.32,27.09 217.32,28.45 217.85,28.97 217.85,33.99 227.07,43.21 227.07,49.79 220.97,55.9 180.81,55.9 MUXB7.9
/ANA_70: length 92.3
  Bottom w0.2: TMR70.2 245.46,21.6 243.82,21.6 242.45,22.97 Cvout70.1 241.77,22.97 234.49,30.25 234.49,32.12 227.47,39.14 227.47,49.96 221.14,56.3 181.88,56.3 178.46,59.72 MUXB7.10
/ANA_71: length 108.6
  Bottom w0.2: MUXB7.11 178.37,60.37 182.05,56.7 221.3,56.7 228.08,49.92 228.08,46.45 235.71,38.82 247.13,38.82 262.98,22.97 Cvout71.1 265.15,21.62 266.86,21.62 TMR71.2
/ANA_72: length 119.5
  Bottom w0.2: TMR72.2 285.86,21.62 284.15,21.62 Cvout72.1 282.46,22.97 267.01,38.42 260.31,38.42 241.23,57.5 187.75,57.5 185.53,59.72 MUXB7.7